# Altium PCB pinban2.PcbDoc (part 5 of 5)
Units mm, origin at the board's own origin, x right, y up, seen from the top; angles counter-clockwise.
Board outline 144.36 x 103.75 mm, 2 copper layers (Top Layer, Bottom Layer); 186 components, 0 nets, 548 pads, 74 vias.
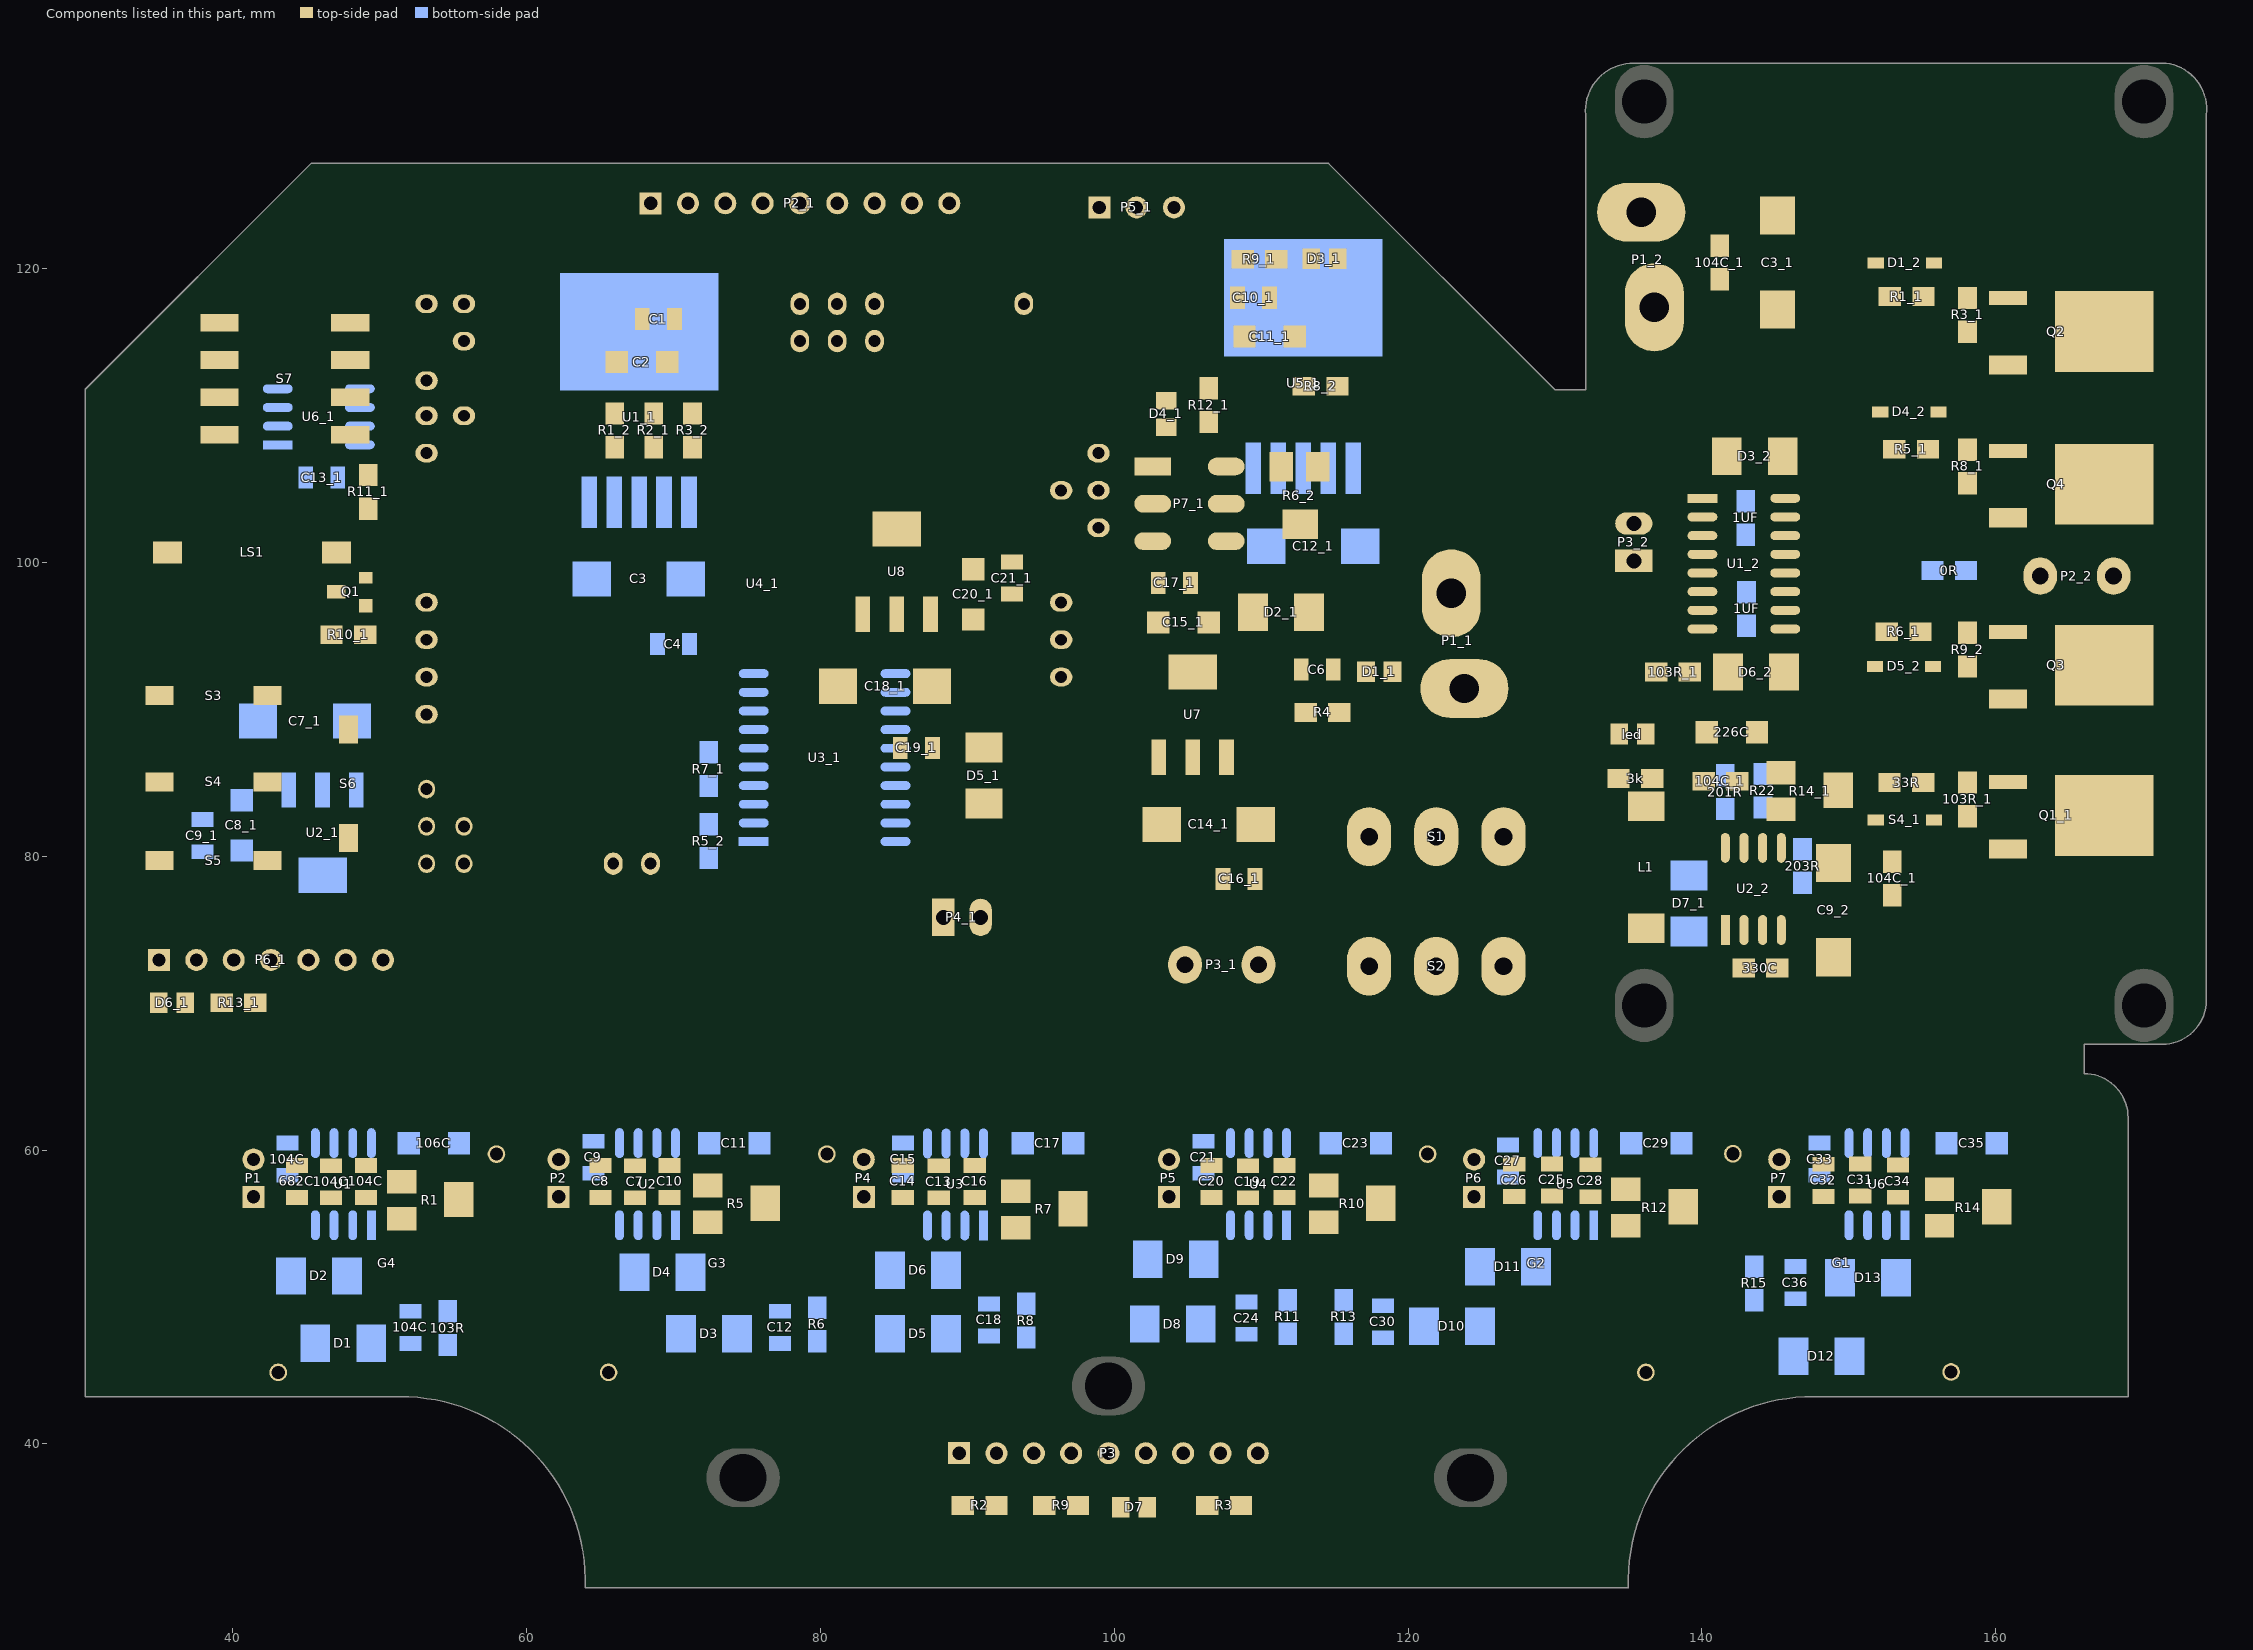
[diagram p5: the components of this part, seen from the top]

## Via types
v1: diameter 0.508, hole 0.381, Top Layer to Bottom Layer, 70 vias
v2: diameter 0.762, hole 0.508, Top Layer to Bottom Layer, 4 vias

## Nets (pads, with @x,y where several pads share a name; then routed paths per layer and width w, separated by ;. In a path a pad name is that pad's centre, name@x,y a point inside that pad or via, vN(x,y) a via of type N, cw(c..) or ccw(c..) an arc to the next point about the centre after c; other vN are vias at no path point) (continued)
copper on no net: (continued)
  Top Layer w1.016: 35.009,70.027 35.009,72.937 35.009,85.053 ; v1(37.981,85.053) 35.035,85.053 35.009,85.053 ; 39.119,116.295 39.119,113.755 39.119,111.215 39.119,108.675 39.119,104.209 35.584,100.674 35.009,100.099 35.009,85.053 ; 41.437,56.818 44.333,56.818 ; 44.384,56.767 44.384,56.119 v1(45.641,54.862) v1(48.181,54.862) ; 49.083,56.767 49.083,55.764 v1(48.181,54.862) ; v1(64.222,106.722) 64.222,107.881 64.222,111.437 66.152,113.367 66.152,113.621 66.152,114.798 67.896,116.542 67.896,123.858 68.461,124.423 ; 64.273,107.83 66.025,107.83 ; 66.025,110.116 68.667,110.116 ; 68.667,107.83 71.309,107.83 ; v1(68.989,87.143) 81.357,87.143 84.92,83.58 91.143,83.58 95.995,83.58 103.945,75.63 109.489,75.63 ; 69.752,56.767 69.752,55.732 v1(68.882,54.862) v1(66.342,54.862) 65.052,56.152 65.052,56.767 65.001,56.818 62.202,56.818 58.849,53.465 49.578,53.465 v1(48.181,54.862) ; v1(70.081,116.542) 70.081,113.071 71.309,111.843 71.309,110.116 ; v1(71.001,106.389) 71.001,107.523 ; 82.966,56.818 85.563,56.818 ; v1@85.454,87.364 85.405,87.364 81.214,91.555 81.214,94.768 82.9,96.453 82.9,97.333 84.234,98.667 88.629,98.667 90.407,96.889 90.407,96.102 91.319,96.102 93.048,97.831 96.395,94.484 ; 85.614,56.767 85.614,56.545 v1(87.297,54.862) v1(89.837,54.862) ; 87.5,96.453 87.5,87.503 87.638,87.364 91.118,87.364 ; 90.514,56.767 90.514,55.539 v1(89.837,54.862) ; 96.395,92.185 96.395,94.484 ; 96.395,94.674 96.395,94.484 ; v1(102.649,106.541) 102.624,106.516 103.489,107.381 103.489,109.145 103.538,109.194 ; v1(102.98,98.515) v1@102.98,98.566 ; 103.005,95.899 102.065,95.899 101.989,95.975 ; v1@103.005,98.515 101.989,97.499 101.989,95.975 ; v1@103.005,98.566 v1@103.005,98.591 ; 103.042,86.725 102.01,86.725 101.989,86.704 ; 106.347,35.812 106.229,35.694 102.257,35.694 102.257,36.727 101.267,37.717 93.647,37.717 91.996,39.368 91.996,42.67 102.156,52.83 ; 107.405,78.443 105.289,78.443 103.236,80.496 103.236,82.157 101.989,83.404 101.989,86.704 ; 107.642,86.725 107.642,84.152 109.636,82.157 109.636,78.49 109.589,78.443 109.589,75.73 109.489,75.63 ; 109.457,96.585 109.457,100.193 v1(110.344,101.08) ; 111.579,56.767 111.579,56.03 v1(110.434,54.885) ; v1(112.886,108.846) 112.886,114.771 112.301,115.355 110.75,116.906 110.75,117.819 v1(112.784,117.819) 113.927,117.819 115.208,119.1 115.208,120.638 ; 113.033,89.682 113.033,96.585 ; 113.038,89.777 113.038,85.637 117.349,81.326 ; 113.857,106.487 116.289,108.919 v1(116.289,110.143) 116.289,110.885 115.197,111.977 ; 114.918,92.698 115.07,92.546 117.142,92.546 117.142,94.491 120.531,97.88 122.944,97.88 121.649,96.585 ; 117.349,79.929 117.349,81.326 ; 132.407,56.818 132.407,55.903 v1(131.366,54.862) ; v1(150.01,54.885) 150.033,54.862 v1@152.527,54.862 ; v1@150.01,54.887 148.257,56.64 148.257,56.843 148.232,56.818 145.26,56.818 141.399,52.957 133.271,52.957 v1(131.366,54.862) ; v1(152.55,54.885) 153.337,55.672 153.337,56.792 ; 158.072,82.721 158.072,81.552 159.113,80.511 v2(161.018,80.511) v2@160.999,80.492 ; v2(158.072,92.906) 158.072,91.712 159.082,90.702 160.834,90.702 ; v2(158.072,105.378) 158.072,104.158 159.209,103.021 ; 158.072,115.69 158.072,114.445 159.107,113.41 160.834,113.41 161.399,112.845 161.399,112.134 164.701,108.832 164.701,108.07 ; v2(161.018,87.623) 166.377,92.982 167.384,92.982 ; v1(89.837,54.862) 91.869,52.83 102.156,52.83 ; 101.989,86.704 101.989,95.975 ; 102.156,52.83 103.731,54.405 103.731,56.818 106.576,56.818 106.626,56.767 106.626,56.107 v1(107.871,54.862) 110.411,54.862 v1(110.434,54.885) ; 109.489,75.63 111.576,75.63 116.804,80.858 116.804,81.326 117.349,81.326 ; v1(110.434,54.885) 112.108,53.211 120.888,53.211 124.495,56.818 127.2,56.818 127.226,56.843 127.226,56.462 v1(128.826,54.862) v1(131.366,54.862)
  Top Layer w1.27: 141.206,117.267 141.206,119.246 ; 141.206,121.532 141.206,123.515 ; 163.014,99.053 163.014,97.353 167.384,92.982 ; 168.014,99.053 168.014,104.672
  Top Layer w2.032: 109.918,72.512 117.349,72.512 ; 117.349,79.929 121.921,75.357 121.921,72.512 ; 135.872,123.818 136.099,123.591 145.143,123.591 163.531,123.591 167.384,119.738 167.384,115.69 168.003,115.69 172.804,110.889 172.804,87.699 167.876,82.772 167.384,82.772 ; 136.911,117.191 145.143,117.191 ; 148.953,79.522 149.053,79.622
  Top Layer w2.54: 121.921,81.326 121.921,89.491 123.833,91.403
  Bottom Layer w0.508: 37.549,72.937 39.911,70.575 70.747,70.575 81.161,80.989 85.123,80.989 ; v1(37.956,80.303) 40.546,80.303 42.151,78.699 46.134,78.699 ; v1(40.013,94.959) 40.013,97.499 47.176,104.662 47.176,105.754 48.674,107.253 48.674,107.989 ; 43.086,109.259 48.674,109.259 ; 43.736,51.687 43.736,58.291 ; 43.736,60.475 45.646,60.475 45.648,60.473 ; 43.99,51.433 45.641,49.782 45.641,46.861 ; v1(46.657,56.767) 46.918,56.506 46.918,54.885 ; 48.188,60.473 48.188,59.808 v1(49.07,58.926) ; 48.674,110.529 51.367,110.529 51.931,109.965 53.215,109.965 ; 48.674,111.799 52.054,111.799 52.578,111.275 54.445,111.275 55.755,109.965 ; 49.451,46.861 54.531,46.861 54.658,46.734 58.087,43.305 90.599,43.305 94.536,39.368 ; 49.458,54.885 51.125,54.885 v1(51.61,55.37) ; 49.458,60.473 49.481,60.45 51.991,60.45 ; v1(55.42,56.648) 55.42,60.45 ; 64.222,104.123 64.276,104.068 ; 64.564,58.418 64.564,52.957 65.834,51.687 67.358,51.687 70.533,48.512 70.533,47.496 ; 64.564,60.602 66.213,60.602 66.342,60.473 ; 65.915,79.485 65.915,80.348 70.366,84.799 75.471,84.799 ; v1(67.402,56.752) 67.612,56.542 67.612,54.885 ; 68.455,79.485 68.455,80.348 70.366,82.259 75.471,82.259 ; 68.882,60.473 68.882,59.815 v1(69.771,58.926) ; 70.152,54.885 72.08,54.885 v1(72.311,55.116) ; 70.152,60.473 70.175,60.45 72.438,60.45 ; 71.001,104.144 71.076,104.068 71.08,104.071 ; 72.703,87.339 75.471,87.339 76.843,87.339 77.478,87.974 ; 74.343,47.496 74.851,46.988 79.804,46.988 81.963,44.829 91.615,44.829 97.076,39.368 ; 75.471,89.879 76.843,89.879 77.478,90.514 ; 75.867,60.45 76.248,60.069 v1(76.248,56.259) ; v1(83.233,37.209) 107.617,37.209 109.776,39.368 ; 83.447,84.291 83.955,84.799 85.123,84.799 ; 83.447,86.831 83.955,87.339 v1@85.123,87.339 ; 83.447,89.371 83.955,89.879 85.123,89.879 ; 83.955,82.259 85.123,82.259 ; 84.757,47.496 84.757,51.814 84.757,57.402 85.646,58.291 ; 85.123,83.529 86.368,83.529 88.375,81.522 88.375,75.833 ; 85.123,86.069 87.003,86.069 90.915,82.157 90.915,75.833 ; 85.646,60.475 87.272,60.475 87.297,60.45 ; v1(88.059,56.767) 88.567,56.259 88.567,54.862 ; 88.567,47.496 93.774,47.496 94.028,47.242 94.028,44.956 99.616,39.368 ; 89.837,60.45 89.837,59.561 v1(90.472,58.926) ; 91.107,54.862 93.012,54.862 v1(93.266,54.608) ; 91.107,60.45 93.782,60.45 ; v1(97.211,55.886) 97.211,60.45 ; 102.08,48.156 102.283,48.36 102.283,52.576 106.068,56.361 106.068,58.418 ; 102.156,39.368 107.49,44.702 110.411,44.702 111.808,46.099 111.808,47.496 106.55,47.496 105.89,48.156 ; 104.696,39.368 108.633,43.305 111.427,43.305 115.618,47.496 120.571,47.496 121.079,48.004 ; 106.068,60.602 107.792,60.602 107.922,60.473 ; 107.236,39.368 109.903,42.035 137.462,42.035 143.558,48.131 143.558,49.782 146.25,49.782 146.225,49.757 146.225,45.972 ; v1(109.014,56.767) 109.192,56.589 109.192,54.885 ; 110.462,60.473 110.462,59.51 111.046,58.926 v1(111.554,58.926) ; 111.732,54.885 113.99,54.885 v1(114.221,55.116) ; 111.732,60.473 111.755,60.45 114.729,60.45 ; v1(118.158,56.386) 118.158,60.45 ; 124.889,48.004 124.889,52.068 126.794,53.973 126.794,58.164 ; 126.794,60.348 128.701,60.348 128.826,60.473 ; v1(129.715,56.894) 130.096,56.513 130.096,54.885 ; 131.366,60.473 131.366,59.882 v1(132.299,58.949) ; 132.636,54.885 v1(134.771,54.885) ; 132.636,60.473 132.659,60.45 135.176,60.45 ; 136.761,116.274 136.761,117.341 ; 138.605,60.45 138.732,60.323 v1(138.732,56.14) ; 139.123,74.872 139.225,74.974 v1(140.774,74.974) ; v1(140.19,85.083) 139.123,84.016 139.123,78.682 139.631,78.174 146.845,78.174 ; v1(141.587,80.562) 141.587,83.203 ; v1(141.587,104.387) 142.755,104.387 142.984,104.158 ; v1(142.857,80.511) 142.857,84.448 141.816,85.489 141.587,85.489 141.689,85.591 144.152,85.591 ; 142.984,101.872 143.009,101.872 v1(144.127,102.99) ; 143.035,95.675 143.213,95.497 144.127,95.497 v1(144.166,95.458) ; 143.035,97.961 v1(144.178,97.961) ; v1(144.127,80.562) 144.152,80.587 144.152,83.305 ; v1(145.397,80.511) 145.448,80.46 146.845,80.46 ; 148.003,58.291 148.003,52.703 149.4,51.306 149.4,46.607 150.035,45.972 ; 148.003,60.475 150.007,60.475 150.01,60.473 ; v1(148.953,73.122) 149.275,73.444 v1(149.275,84.473) ; v1(150.797,56.894) 151.28,56.411 151.28,54.885 ; 152.55,60.473 152.55,59.713 v1(153.286,58.977) ; 153.82,54.885 v1(156.108,54.885) ; 153.82,60.473 153.843,60.45 156.639,60.45 ; v1(160.06,56.013) 160.068,56.005 160.068,60.45
  Bottom Layer w0.762: 46.918,60.473 46.918,61.854 47.419,62.355 66.977,62.355 ; 67.612,60.473 67.612,61.72 66.977,62.355 ; 88.567,60.45 88.567,61.847 88.059,62.355 ; v1(97.076,51.052) 99.616,53.592 99.616,62.355 ; v1(105.164,98.515) 107.577,100.928 v1(107.577,106.592) ; v1(108.589,110.143) 109.464,109.268 109.464,106.382 ; 109.192,60.473 109.192,61.669 108.506,62.355 ; 109.464,106.28 109.482,106.262 ; 130.096,60.473 130.096,61.72 129.461,62.355 ; 151.28,60.473 151.28,61.745 150.67,62.355 129.461,62.355 ; 66.977,62.355 88.059,62.355 ; 88.059,62.355 99.616,62.355 ; 99.616,62.355 108.506,62.355 ; 108.506,62.355 129.461,62.355
  Bottom Layer w1.016: v1(37.981,85.053) v1@37.956,85.053 ; 41.743,89.193 41.743,88.403 43.834,86.312 43.834,84.499 ; 43.086,111.799 43.086,110.529 43.086,109.259 43.086,107.989 43.086,107.659 44.991,105.754 37.956,98.718 v1@37.956,85.053 ; 48.143,89.193 48.434,88.901 ; v1(48.181,54.862) 48.181,51.814 47.8,51.433 50.213,49.02 54.658,49.02 ; 48.434,84.499 48.434,88.901 ; 64.222,104.123 v1(64.222,106.722) ; 65.976,104.068 65.976,100.391 64.449,98.864 68.907,94.405 ; 67.676,104.068 69.376,104.068 69.376,100.337 70.849,98.864 71.105,98.608 71.105,94.419 73.105,92.419 75.471,92.419 76.589,92.419 ; 67.676,116.542 67.676,115.676 71.001,119.001 71.001,124.423 ; v1(68.882,54.862) 68.882,53.592 70.787,51.687 71.168,51.687 74.597,51.687 ; 68.921,94.419 68.921,87.211 v1(68.989,87.143) 50.309,87.143 50.251,87.085 48.434,88.901 ; v1(70.081,116.542) 71.001,117.463 ; 71.001,104.144 v1(71.001,106.389) ; 72.423,87.06 72.703,87.339 ; 79.804,49.274 79.55,49.02 77.264,49.02 74.597,51.687 ; 82.966,56.818 77.835,51.687 74.597,51.687 ; 83.955,82.259 83.447,82.767 83.447,84.291 83.447,86.831 83.447,89.371 83.447,91.911 83.955,92.419 ; v1(89.837,54.862) 89.837,53.084 88.567,51.814 90.853,49.528 91.488,49.528 94.028,49.528 ; v1(102.649,106.541) 102.98,106.211 v1(102.98,98.515) 102.98,96.762 105.545,94.197 119.261,94.197 ; v1(107.871,54.862) 107.871,54.354 106.093,52.576 109.014,49.655 109.268,49.401 118.285,49.401 ; v1(110.434,54.885) v1@110.462,54.885 ; v1@110.523,100.901 111.164,101.542 111.164,106.382 ; 112.864,106.309 112.911,106.262 ; 112.864,106.382 112.889,106.407 112.889,108.843 v1(112.886,108.846) ; 112.911,106.382 114.564,106.382 114.564,103.26 116.744,101.08 ; 116.289,106.407 v1(116.289,110.143) ; 117.209,92.439 96.395,92.439 96.161,92.419 85.123,92.419 83.955,92.419 ; 120.709,97.88 122.944,97.88 ; 128.699,52.068 128.826,52.195 v1(128.826,54.862) ; 136.761,117.341 138.336,115.766 138.336,93.414 v1(139.174,92.576) 143.314,88.436 v1(143.746,88.436) ; 143.558,52.068 146.352,52.068 146.352,55.726 145.26,56.818 ; v1(152.55,54.885) 152.527,54.862 152.527,51.989 153.21,51.306 ; v2(161.018,80.511) v2(161.018,87.623) ; v1@37.956,85.053 37.956,82.488 39.276,83.808 40.623,83.808 43.144,83.808 43.834,84.499 ; 43.834,84.499 43.834,82.629 45.22,81.243 v1(47.887,81.243) 53.987,75.143 67.989,75.143 72.423,79.577 72.423,79.871 73.693,79.871 74.811,80.989 75.471,80.989 76.843,80.989 77.478,81.624 77.478,87.974 77.478,90.514 77.478,91.53 76.589,92.419 ; 76.589,92.419 83.955,92.419
  Bottom Layer w1.27: 104.069,124.143 106.711,124.143 v1@112.864,117.99 ; v2(158.072,92.906) v2(158.072,105.378)
  Bottom Layer w1.524: 136.761,116.274 153.601,99.434 155.684,99.434
  Bottom Layer w2.032: 116.744,101.08 119.944,97.88 122.944,97.88 ; 120.709,97.169 120.709,97.88
  Bottom Layer w2.54: 104.823,72.607 104.823,79.759 119.261,94.197 122.944,97.88
  other v1: 85.352,87.339

## Polygon pours and split planes (outlines as drawn)
no net on Top Layer "Bottom Layer-No Net" (solid, remove dead copper, pour order 18): 45.357,127.139 114.593,127.139 129.989,111.743 129.989,111.723 129.989,67.143 129.985,67.139 29.989,67.139 29.989,111.771
no net on Top Layer "Bottom Layer-No Net" (solid, remove dead copper, pour order 22): 132.075,122.95 132.075,133.95 174.075,133.95 174.075,66.95 156.575,66.95 156.575,122.95
no net on Top Layer "Bottom Layer-No Net" (solid, remove dead copper, pour order 24): 156.575,66.95 156.575,133.95 174.075,133.95 174.075,66.95
no net on Top Layer "Bottom Layer-No Net" (solid, remove dead copper, pour order 26): 131.575,66.95 131.825,67.2 156.575,67.2 156.575,133.95 132.075,133.95
no net on Top Layer "Bottom Layer-No Net" (solid, remove dead copper, pour order 34): 30,65.2 30,43.2 52,43.2 64,31.2 64,30.2 135,30.2 135,31.2 147,43.2 169,43.2 169,65.2
no net on Bottom Layer "Bottom Layer-No Net" (solid, remove dead copper, pour order 20): 45.357,127.139 114.593,127.139 129.989,111.743 129.989,67.143 129.859,67.273 29.989,67.273 29.989,111.771
no net on Bottom Layer "Bottom Layer-No Net" (solid, remove dead copper, pour order 28): 156.575,66.95 156.575,133.95 174.075,133.95 174.075,66.95
no net on Bottom Layer "Bottom Layer-No Net" (solid, remove dead copper, pour order 30): 132.075,67.45 132.075,133.95 156.575,133.95 156.575,67.2
no net on Bottom Layer "Bottom Layer-No Net" (solid, remove dead copper, pour order 32): 30,65.2 169,65.2 169,43.2 147,43.2 135,31.2 135,30.2 64,30.2 64,31.2 52,43.2 30,43.2

## Keep-outs
Keep-Out Layer:
  lines w0.254: 30,66.996 32.996,66.996 ; 33,67 33,65.2 ccw(c33,62.2) 30,62.2 ; 132.075,70.5 130,70.5 130,65.2 135,65.2 135,67.2 ; 132.077,70.5 ccw(c135.2,70.325) 135,67.204 ; 30,62.2 30,43.2 52,43.2 cw(c51.5,30.7) 64,30.2 135,30.2 cw(c147.5,30.7) 147,43.2 169,43.2 169,62.2 ccw(c166,62.2) 166,65.2 166,67.2 171.575,67.2 ccw(c171.317,70.192) 174.308,70.45 174.325,130.45 ccw(c171.2,130.825) 171.575,133.95 135.075,133.95 ccw(c135.325,130.7) 132.075,130.45 132.075,111.743 129.989,111.743 114.593,127.139 45.357,127.139 29.989,111.771 29.989,66.996 29.989,62.211 30,62.2

## Other copper
Top Layer:
  text "队名：大Q巴" at 143.213,130.879 h1.27
  text "队员:覃昌祖.刘文财.刘文航" at 143.213,127.831 h1.27
  text "2017/3/5" at 150.075,125.95 h1.27
  text "队名:大Q巴" at 65.413,74.385 h1.27
  text "队员:覃昌祖.刘文财.刘文航" at 65.286,72.226 h1.27
  text "2017/3/5" at 65.286,70.194 h1.27
  text "队名：大Q巴" at 115.618,42.67 h1.27
  text "队员:覃昌祖.刘文财.刘文航" at 115.618,40.13 h1.27
  text "2017/3/5" at 115.618,38.098 h1.27

## Silkscreen, mask and mechanical layers (free items; w line width, h text height)
Top Overlay:
  lines w0.254: 61.868,94.162 cw(c63.409,93.606) 64.908,94.264 ; 61.889,94.143 61.889,89.143 ccw(c63.407,89.641) 64.889,89.043 64.889,94.243 ; 130.613,46.303 cw(c132.113,47.803) 130.613,49.303 ; 130.65,46.266 139.65,46.266 ccw(c138.15,47.766) 139.65,49.266 130.65,49.266 ; 33.489,106.143 ccw(c34.989,106.768) 36.489,106.143 36.489,114.143 ccw(c34.989,113.518) 33.489,114.143 33.489,106.143 ; 34.35,46.15 cw(c35.85,47.65) 34.35,49.15 43.35,49.15 cw(c41.85,47.65) 43.35,46.15 34.35,46.15 ; 59.25,46.15 cw(c60.75,47.65) 59.25,49.15 68.25,49.15 cw(c66.75,47.65) 68.25,46.15 59.25,46.15 ; 73.189,68.043 cw(c73.814,69.543) 73.189,71.043 81.189,71.043 cw(c80.564,69.543) 81.189,68.043 73.189,68.043 ; 123.489,106.143 ccw(c124.989,106.768) 126.489,106.143 126.489,114.143 ccw(c124.989,113.518) 123.489,114.143 123.489,106.143 ; 155.55,46.266 cw(c157.05,47.766) 155.55,49.266 164.55,49.266 cw(c163.05,47.766) 164.55,46.266 155.55,46.266

## Text inside footprints (layer, text, board x,y; h text height)
LS1: Top Overlay "+" at 45.584,101.674 h3 r180
S7: Top Overlay "4" at 38.537,109.961 h0.8 r270; Top Overlay "3" at 38.537,112.586 h0.8 r270; Top Overlay "2" at 38.537,115.086 h0.8 r270; Top Overlay "1" at 38.537,117.411 h0.8 r270; Top Overlay "ON" at 47.247,119.343 h1 r270